# Allegro board P2597_B04_Allegro_layout.brd (continued)
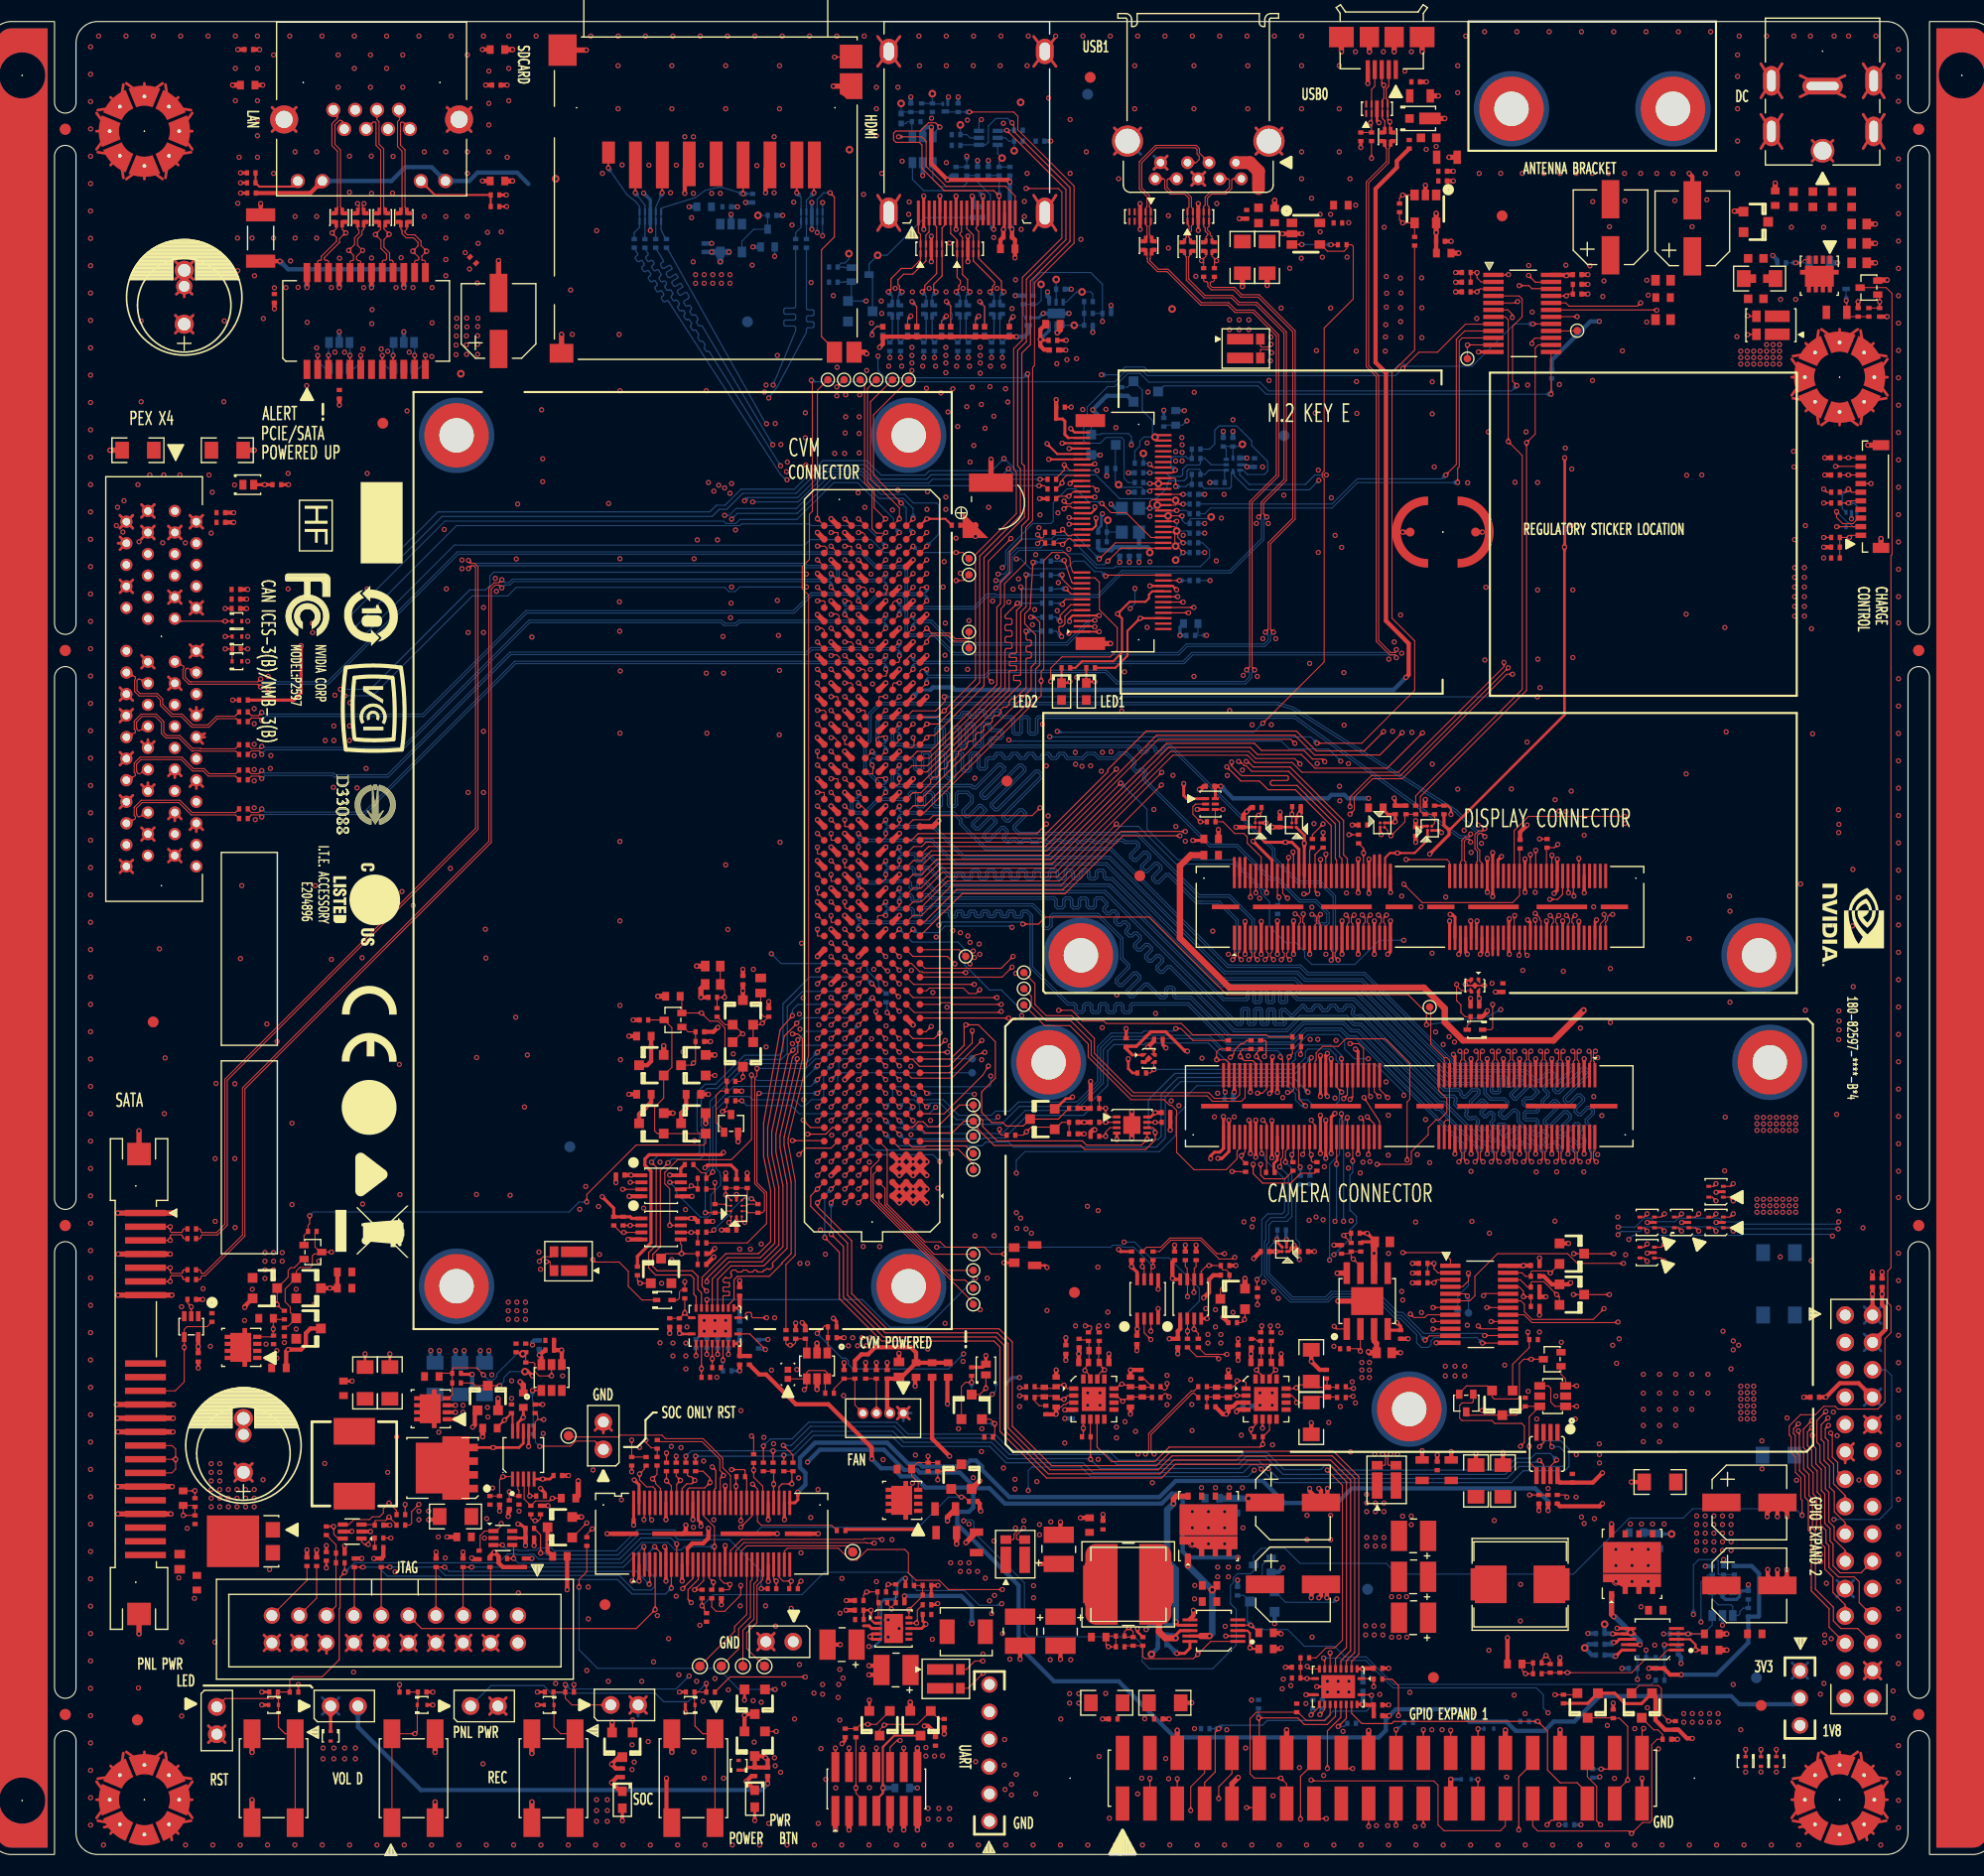
[diagram p0: board, top side]
## Routing (per net, layer and track width the routed paths; a pad name or vN(x,y) marks a point on that pad's centre or on a via; arc(x,y) is an arc through that point) (continued)
  BOTTOM w0.111: v1(85.76,124.01) 85.76,124.97 84.83,125.9 82.61,125.9 80.76,127.75 78.23,127.75 75,124.52 69.44,124.52 v1(68.9,123.98)
POWER_BTN_R: length 58
  TOP w0.111: S4.4 S4.1 66.22,11.21 65.5,11.93 D6.1 65.45,13.93 C50.1 R86.1 v1(66.55,15.88) ; J10.46 70.8,31.43 v1(69.75,30.38)
  L3 w0.12: v1(66.55,15.88) 66.55,16.13 67.08,16.66 67.08,24.02 69.75,26.69 v1(69.75,30.38)
  BOTTOM w0.111: v1(66.55,15.88) 64.85,14.18 62.6,14.18 61.8,14.98 52.15,14.98 51.44,15.68 46.55,15.68 J6.1
PS_VDD_FAN_DISABLE: length 155.6
  TOP w0.1: v1(131.25,137.98) 132.75,139.48 134.47,139.48 137.07,142.08 139.65,142.08 U29.8 ; R109.1 73.95,54.78 74.81,55.64 74.81,62.56 74.15,66.03 74.15,66.48 76.05,74.18 76.05,116.94 75.46,117.53 75.46,119.56 76.12,120.23 76.12,124.43 76.4,124.7 76.4,136.78 v1(76.3,136.88)
  BOTTOM w0.1: v1(76.3,136.88) 76.45,136.73 104.5,136.73 105.57,137.81 107.02,137.81 107.52,137.31 130.58,137.31 v1(131.25,137.98)
PS_VDD_FAN_DISABLE_R: length 4.2
  TOP w0.1: Q17.3 75.88,47.75 R113.1 R112.2 74.85,47.51 74.62,47.28 v1(74.35,47.28) 74.08,47.28 73.95,47.41 R109.2
PWR_I2C_SCL_D: length 214.7
  TOP w0.111: v1(65.15,23.38) 64.85,23.68 64.85,24.58 65.8,25.53 J10.25 ; R269.2 v1(170.35,125.48)
  L3 w0.12: v1(170.35,125.48) 169.9,125.03 169.9,121.09 170.14,120.86 170.6,120.86 170.96,120.5 170.96,99.57 169.9,98.52 169.9,54.88 169.1,54.08 169.1,41.54 168.72,41.17 168.72,38.79 169.49,38.02 169.49,35.28 170.05,34.72 v1(170.05,27.86)
  L4 w0.12: v1(170.05,27.86) 166.34,24.14 132.49,24.14 131.95,24.68 114.27,24.68 112.58,26.36 112.33,26.36 112.33,26.36 93.34,26.36 93.2,26.22 91.58,27.84 78.82,27.84 76.96,25.98 72.31,25.98 70.51,24.18 65.85,24.18 65.15,23.48 v1(65.15,23.38)
PWR_I2C_SDA_D: length 224.5
  TOP w0.111: R268.2 170.65,126.48 v1(170.35,126.78) ; v1(64.35,24.68) 65.3,25.63 65.3,25.64 J10.23
  L3 w0.12: v1(170.45,20.38) 170.27,20.56 170.27,23.99 171.01,24.73 171.01,28.3 170.78,28.54 170.78,34.88 170.12,35.53 170.12,41.46 169.95,41.63 169.95,53.66 170.57,54.28 170.57,98 171.82,99.25 171.82,120.84 171.15,121.51 171.15,122.58 170.75,122.98 170.75,126.38 v1(170.35,126.78)
  L4 w0.12: v1(170.45,20.38) 170.06,19.99 159.78,19.99 158.38,21.39 153.61,21.39 151.79,23.22 122.51,23.22 121.78,23.94 114.13,23.94 112.33,25.74 93.6,25.74 93.12,25.26 89,25.26 87.43,26.83 79.33,26.83 76.68,24.18 71.03,24.18 70.72,23.86 66.23,23.86 65.35,22.98 64.95,22.98 64.35,23.58 v1(64.35,24.68)
Q34_GATE: length 3.5
  TOP w0.1: v1(167.75,147.78) 168.25,147.78 168.54,148.07 Q30.4
  BOTTOM w0.1: R501.2 v1(167.75,147.78) C501.2
RESET_IN_L: length 160.6
  TOP w0.111: J13.A47 v1(87.03,120.2) ; R14.2 v1(28.65,15.78)
  L3 w0.12: v1(75.85,118.88) 76.35,118.38 81.35,118.38 v1(81.85,118.88) ; v1(28.65,15.78) 29.85,16.98 29.85,20.6 30.32,21.07 31.91,21.07 32.35,21.51 32.35,24.78 34.07,26.49 34.07,32.59 32.5,34.16 32.5,50.35 32.77,50.63 32.77,102.38 32.5,102.66 32.5,108.13 v1(32.55,108.18)
  L4 w0.12: v1(87.03,120.2) 86.52,119.69 84.27,119.69 84,119.96 84,120.55 83.65,120.9 82.77,120.9 82.04,120.17 82.04,119.07 v1(81.85,118.88)
  BOTTOM w0.111: v1(75.85,118.88) 75.67,119.05 46.79,119.05 46.45,118.71 46.45,117.82 46.04,117.41 44.57,117.41 35.34,108.18 v1(32.55,108.18)
RESET_IN_R_L: length 87.2
  TOP w0.111: S1.4 S1.1 27.42,11.21 26.8,11.83 D2.1 26.8,15.03 C29.1 ; C29.1 26.61,14.94 26.61,14.76 26.33,14.48 21.85,14.48 J3.1 ; C29.1 R14.1 27.85,16.18 28.16,16.49 30.87,16.49 32.45,18.08 32.45,22.83 32.53,22.9 32.53,25.76 v1(32.95,26.18) R20.1 ; J10.17 63.8,28.83 v1(63.8,28.83) ; v1(68.9,35.73) 70.08,35.73 70.15,35.66 R97.2 70.3,34.93 J10.44
  L3 w0.12: v1(68.9,35.73) 68.9,35.21 69.77,34.33 69.77,31.63 66.97,28.83 v1(63.8,28.83)
  BOTTOM w0.111: v1(63.8,28.83) 63.26,29.38 60.45,29.38 58.5,27.43 50.96,27.43 50.51,27.88 50.19,27.88 50.14,27.83 48.95,27.83 48.88,27.9 48.07,27.9 47.25,27.08 33.85,27.08 v1(32.95,26.18)
RESET_OUT_ARM_R_L: length 2.9
  TOP w0.1: R26.1 35.75,28.5 R28.2 35.7,29.33 35.45,29.33 35.15,29.03 v1(35.15,28.78) 34.79,28.78 34.52,29.05 U2.1
RESET_OUT_L: length 208.3
  TOP w0.1: R322.1 55.45,29.73 v1(55.95,30.23) ; R28.1 v1(37.25,29.38) ; J13.A46 v1(87.03,118.93) ; J8.1 56.21,38.38 54.4,38.38 53.93,37.91 51.1,37.91 v1(51.08,37.88) ; v1(56,55.23) 56.23,55 58.45,55 59.3,54.16 59.3,52.75 60.58,51.48 D16.1
  L3 w0.1: v1(37.25,29.38) 34.93,29.38 34.42,29.89 34.42,32.76 32.86,34.32 32.86,50.14 33.23,50.5 33.23,102.66 32.86,103.02 32.86,107.49 v1(32.95,107.58) ; v1(81.95,117.38) 81.67,117.1 76.44,117.1 v1(75.86,117.68) ; v1(56,55.23) 55.77,55 55.77,38.82 J8.1 56.98,35.81 55.7,34.53 55.7,31.28 55.95,31.03 v1(55.95,30.23)
  L4 w0.1: v1(55.95,30.23) 38.1,30.23 v1(37.25,29.38) ; v1(81.95,117.38) 82.25,117.68 82.25,118.84 82.35,118.94 82.35,120.04 82.9,120.59 83.38,120.59 83.61,120.36 83.61,119.78 84.01,119.38 86.58,119.38 v1(87.03,118.93)
  BOTTOM w0.1: R304.2 50.67,38.83 50.67,38.28 v1(51.08,37.88) ; v1(75.86,117.68) 69.65,117.68 69.22,117.25 68.67,117.25 68.28,117.64 48.88,117.64 48.1,116.86 44.83,116.86 35.55,107.58 v1(32.95,107.58)
RESET_OUT_R_L: length 2.4
  TOP w0.1: R17.2 v1(31.92,30.45) 31.95,30.43 31.95,29.73 32.35,29.33 U2.6
RJ45_RDN: length 5.4
  TOP w0.102: 34.62,148.93 34.05,148.36 34.05,148.12 34.19,147.98 34.35,147.98 34.45,147.88 T1.19 ; 34.62,148.93 v1(34.62,148.93) ; 34.62,148.93 34.15,149.4 34.15,149.99 34.56,150.4 34.56,150.74 34.73,150.9 L3.2
RJ45_RDN1: length 6.3
  TOP w0.102: L5.2 38.73,150.9 38.56,150.74 38.56,150.6 38.78,150.38 39.46,150.38 40.05,149.8 40.05,149.38 v1(40.58,148.86) 40.12,148.4 40.13,148.4 40.13,148.05 40.16,148.01 40.35,148.01 40.45,147.91 T1.13
RJ45_RDN1_F: length 9.6
  TOP w0.102: J5.8 39.01,160.22 38.4,160.83 38.19,160.83 38.14,160.78 38.14,158.69 38.56,158.27 38.56,152.97 38.6,152.93 38.6,152.69 L5.3
RJ45_RDN_F: length 11.9
  TOP w0.102: v1(34.75,153.28) 34.6,153.13 34.6,152.69 L3.3
  L3 w0.102: J5.6 36.1,161.08 34.62,161.08 34.4,160.86 34.38,160.86 34.05,160.53 34.05,158.76 34.56,158.25 34.56,153.47 v1(34.75,153.28)
RJ45_RDP: length 5.4
  TOP w0.102: T1.20 33.45,147.88 33.55,147.98 33.71,147.98 33.77,148.05 33.77,148.48 v1(33.33,148.93) 33.87,149.48 33.87,150.11 34.28,150.52 34.28,150.8 34.17,150.91 34.17,151.39
RJ45_RDP1: length 6.3
  TOP w0.102: 38.17,151.39 38.17,150.91 38.28,150.8 38.28,150.71 38.28,150.48 38.66,150.1 39.35,150.1 39.77,149.68 39.77,149.35 v1(39.27,148.86) 39.85,148.28 39.85,148.12 39.74,148.01 39.55,148.01 39.45,147.91 T1.14
RJ45_RDP1_F: length 9.7
  TOP w0.102: J5.7 38.05,161.89 38.05,161.08 37.86,160.89 37.86,158.57 38.28,158.15 38.28,152.68 38.17,152.57
RJ45_RDP_F: length 12
  TOP w0.102: 34.17,152.57 34.3,152.69 34.3,153.13 v1(34.15,153.28)
  L3 w0.102: J5.3 34.13,162.18 34.94,162.18 35.13,161.99 35.13,161.52 35,161.39 34.49,161.39 34.27,161.17 34.24,161.17 33.74,160.66 33.74,158.63 34.25,158.12 34.25,153.38 v1(34.15,153.28)
RJ45_TDN: length 5.8
  TOP w0.102: T1.22 31.45,147.91 31.35,148.01 31.16,148.01 31.06,148.11 31.06,148.26 32.48,149.67 32.48,150.02 33.02,150.56 v1(33.08,150.56) 32.73,150.91 L1.2
RJ45_TDN1: length 5.4
  TOP w0.102: T1.16 37.45,147.91 37.35,148.01 37.16,148.01 37.13,148.05 37.13,148.7 36.6,149.22 36.6,149.93 v1(37.1,150.43) 36.6,150.93 36.6,151.27 L4.2
RJ45_TDN1_F: length 9.7
  TOP w0.102: J5.5 35.95,161.96 35.95,161.08 36.14,160.89 36.14,158.8 36.58,158.37 36.58,153 36.6,152.98 36.6,152.69 L4.3
RJ45_TDN_F: length 9.9
  TOP w0.102: L1.3 32.6,152.69 32.6,152.98 32.56,153.02 32.56,158.26 32.05,158.77 32.05,160.59 32.43,160.97 32.52,161.02 32.7,160.97 32.92,160.59 J5.2
RJ45_TDP: length 5.7
  TOP w0.102: T1.23 30.45,147.91 30.55,148.01 30.74,148.01 30.78,148.06 30.78,148.37 32.2,149.79 32.2,150.13 v1(31.77,150.56) 32.17,150.96 32.17,151.39
RJ45_TDP1: length 5.5
  TOP w0.102: T1.17 36.45,147.91 36.55,148.01 36.74,148.01 36.85,148.12 36.85,148.58 36.33,149.11 36.33,149.88 v1(35.8,150.41) 36.3,150.91 36.3,151.27 36.17,151.39
RJ45_TDP1_F: length 9.7
  TOP w0.102: 36.17,152.57 36.3,152.69 36.3,158.25 35.87,158.68 35.87,160.76 35.77,160.86 35.6,160.86 J5.4
RJ45_TDP_F: length 10
  TOP w0.102: J5.1 32.29,161.3 32.26,161.19 31.77,160.71 31.77,158.66 32.28,158.15 32.28,152.93 32.3,152.91 32.3,152.69 32.17,152.57
RJ_CAP: length 13.6
  TOP w0.4: v1(26.95,147.93) C27.1
  BOTTOM w0.4: R597.2 R598.2 R599.2 R600.2 27.7,147.18 v1(26.95,147.93)
RJ_LED1: length 5.2
  TOP w0.2: J5.9 28.08,154.86 25.02,154.86 24.67,155.21 24.67,156.13
RJ_LED2: length 8.1
  TOP w0.2: 46.52,153.01 46.52,154.08 41.32,154.08 J5.11
RSVD1: length 5.1
  TOP w0.1: J13.A5 90.89,66.22 TP21.1
RSVD2: length 6.8
  TOP w0.1: TP22.1 90.65,65.78 86.95,65.78 86.85,65.68 85.67,65.68 85.12,66.22
RSVD3: length 6.6
  TOP w0.1: v1(89.75,120.88) 90.38,120.88 TP15.1 ; 85.12,120.83 v1(85.76,121.47)
  BOTTOM w0.1: v1(85.76,121.47) 86.35,120.88 v1(89.75,120.88)
RSVD4: length 18
  TOP w0.1: v1(84.65,125.48) 82.07,128.06 82.07,133.65 TP13.1 ; 85.12,122.1 v1(85.76,122.74)
  BOTTOM w0.1: v1(85.76,122.74) 85.12,123.38 85.12,125.01 v1(84.65,125.48)
RSVD5: length 8.9
  TOP w0.1: TP23.1 91.35,64.08 89.95,65.48 84.6,65.48 J13.C5
RSVD7: length 15.8
  TOP w0.1: TP12.1 81.8,134.88 81.8,127.73 84.49,125.04 v1(84.49,124.01) J13.C50
RSVD8: length 12
  TOP w0.1: TP25.1 88.93,54.23 82.58,60.57 J13.D1
RSVD9: length 12.4
  TOP w0.1: TP24.1 87.71,55.73 83.15,60.29 83.15,61.85 J13.D2
RSVD10: length 15.8
  TOP w0.1: TP26.1 90.6,53.33 89.55,53.33 82.05,60.83 82.05,63.15 J13.D3
RSVD11: length 18.1
  TOP w0.1: TP27.1 91.35,51.24 81.85,60.74 81.85,63.73 82.58,64.47 J13.D4
RSVD14: length 14.9
  TOP w0.1: TP11.1 81.52,136.1 81.52,127.36 82.15,126.74 82.15,125.03 83.17,124.01 v1(83.22,124.01) J13.D50
RSVD_DVDD_CAM_LV: length 16.6
  TOP w0.1: J22.58 135.1,68.01 135.27,68.18 135.59,68.18 ; 135.09,73.98 135.35,73.98 135.6,73.73 J22.55 135.59,72.34 135.59,68.18 ; 135.09,73.98 133.85,75.22 133.85,78.58 TP31.1 ; 135.09,73.98 135.1,73.97 J22.57 ; 135.59,68.18 135.59,66.62 J22.56
RXD_HDR_1V8: length 2.6
  TOP w0.1: U6.6 v1(65.15,57.75) 65.72,57.75 R81.1 R82.1
SAR_CTRL: length 85.8
  TOP w0.1: v1(97.55,127.68) R142.2
  L3 w0.1: v1(70.1,125.68) 70.1,125.23 71.35,123.98 71.35,92.63 72.59,91.39 v1(72.59,83.63)
  BOTTOM w0.1: v1(97.55,127.68) 87.55,127.68 87.19,127.32 82.48,127.32 81.14,128.65 77.7,128.65 75.03,125.98 70.4,125.98 v1(70.1,125.68) ; R585.1 82.55,80.63 82.55,81.03 81.49,82.09 81.49,82.41 81.17,82.72 73.5,82.72 v1(72.59,83.63)
SAR_TOUT: length 240.5
  TOP w0.1: Q27.2 147.33,14.83 R257.2 v1(145.38,14.83) ; 77.5,76.38 v1(76.87,75.75) ; R143.2 97.95,127.08 v1(97.45,127.08)
  L3 w0.1: v1(124.62,125.97) 124.46,125.81 124.46,97.83 125.53,96.76 125.53,96.04 130.25,91.31 130.48,91.31 130.49,91.31 132.19,91.31 133.45,90.05 133.45,87.36 132.75,86.66 132.75,70.48 134.98,68.25 134.98,63.97 138.89,60.06 145.96,60.06 148.07,57.95 148.07,36.85 147.75,36.53 147.75,32.21 146.81,31.27 146.81,17.94 145.38,16.51 v1(145.38,14.83) ; v1(76.87,75.75) 76.05,76.57 76.05,79.68 75.75,79.98 75.75,81.11 73.07,83.78 73.07,91.25 71.72,92.6 71.72,123.89 70.85,124.77 v1(70.85,125.58)
  L4 w0.1: v1(97.45,127.08) 97.65,126.88 102.25,126.88 102.44,127.07 105.85,127.07 107.14,125.78 124.43,125.78 v1(124.62,125.97)
  BOTTOM w0.1: v1(70.85,125.58) 75.06,125.58 77.89,128.41 80.98,128.41 82.31,127.08 v1(97.45,127.08)
SAR_TOUT_LVL: length 11.7
  TOP w0.1: J21.37 150.94,5.69 v1(152.15,6.9) 152.15,11.88 151.38,12.66 150.8,12.66 150.77,12.69 Q27.3
SATA_DEV_SLP: length 130.3
  TOP w0.1: 18.7,49.98 v1(18.7,50.85) 18.35,51.2 R314.2 ; J13.D47 v1(83.22,120.2)
  L3 w0.1: v1(18.7,50.85) 19.25,50.3 31.77,50.3 32.33,50.85 32.33,102.25 v1(31.15,103.43)
  L4 w0.1: v1(83.22,120.2) 82.75,119.73 82.75,117.08 81.35,115.68 48.75,115.68 37.05,103.98 31.7,103.98 v1(31.15,103.43)
SATA_DEV_SLP_3V3: length 11.7
  TOP w0.1: R315.2 20.18,49 18.3,49 18.05,48.75 U1.4 v1(18.05,47.08) 18.05,43.88 17.21,43.05 J1.10
SATA_RX_C_N: length 4.6
  TOP w0.101: J1.5 v1(16.75,54.48) 16.75,54.05 16.85,53.95 17.81,53.95 17.9,54.04 17.9,54.18 18,54.28 C7.2
SATA_RX_C_P: length 4.6
  TOP w0.101: J1.6 v1(16.75,53.2) 16.75,53.63 16.85,53.73 17.79,53.73 17.9,53.62 17.9,53.48 18,53.38 C8.2
SATA_RX_N: length 109.3
  TOP w0.101: v1(47.55,118.35) 47.28,118.08 46.85,118.08 46.35,117.58 46.35,94.06 23.46,71.17 23.46,57.51 19.89,53.94 19.7,53.94 19.6,54.04 19.6,54.18 19.5,54.28 C7.1 ; J13.G46 v1(78.14,118.93)
  BOTTOM w0.101: v1(47.55,118.35) 47.82,118.08 48.21,118.08 48.54,118.41 78.05,118.41 78.14,118.5 v1(78.14,118.93)
SATA_RX_P: length 109.3
  TOP w0.101: J13.G45 v1(78.14,117.66) ; v1(47.55,117.59) 47.28,117.86 46.94,117.86 46.57,117.49 46.57,93.96 23.68,71.08 23.68,57.42 19.99,53.72 19.7,53.72 19.6,53.62 19.6,53.48 19.5,53.38 C8.1
  BOTTOM w0.101: v1(78.14,117.66) 78.14,118.08 78.04,118.18 75.95,118.18 75.94,118.19 48.63,118.19 48.3,117.86 47.82,117.86 v1(47.55,117.59)
SATA_TX_C_N: length 4.6
  TOP w0.101: J1.3 v1(16.75,57.02) 16.75,57.44 16.85,57.54 17.78,57.54 17.9,57.42 17.9,57.28 18,57.18 C6.2
SATA_TX_C_P: length 4.6
  TOP w0.101: J1.2 v1(16.75,58.28) 16.75,57.86 16.85,57.76 17.82,57.76 17.9,57.84 17.9,57.98 18,58.08 C5.2
SATA_TX_N: length 116.7
  TOP w0.101: C6.1 19.5,57.18 19.6,57.28 19.6,57.42 19.7,57.52 21.15,57.52 22.05,58.42 22.05,71.89 45.33,95.17 45.33,119.56 45.02,119.88 44.72,119.88 v1(44.45,120.15) ; J13.D46 v1(83.22,118.93)
  BOTTOM w0.101: v1(44.45,120.15) 44.72,119.88 75.74,119.88 75.94,119.68 78.47,119.68 78.89,119.26 78.89,118.59 79.07,118.4 83.12,118.4 83.22,118.5 v1(83.22,118.93)
SATA_TX_P: length 116.5
  TOP w0.101: J13.D45 82.65,116.96 83.2,116.96 83.26,117.02 83.26,117.24 83.35,117.33 83.35,117.53 v1(83.22,117.66) ; v1(44.45,119.39) 44.72,119.66 44.93,119.66 45.11,119.47 45.11,95.27 21.82,71.98 21.82,58.51 21.05,57.74 19.7,57.74 19.6,57.84 19.6,57.98 19.5,58.08 C5.1
  BOTTOM w0.101: v1(44.45,119.39) 44.72,119.66 75.65,119.66 75.85,119.46 78.38,119.46 78.67,119.17 78.67,118.5 78.98,118.18 83.12,118.18 83.25,118.05 83.25,117.69 v1(83.22,117.66)
SD_CARD_SW_PWR:
  vias: v1(67.05,154.23) v1(67.85,154.23)
SDCARD_CD_L: length 92.8
  TOP w0.111: v1(78.05,154.28) 78.45,153.88 78.45,150.18 77.25,148.98 77.25,140.93 78.45,139.73 J12.10 ; v1(79.41,82.1) 79.41,82.1 J13.F17
  L3 w0.12: v1(76.85,150.58) 76.85,133.78 74.2,131.13 73.05,129.24 73.05,128.66 73.05,128.59 73.17,127.04 73.56,124.22 74.34,117.38 74.35,117.33 74.35,117.31 74.35,117.29 74.35,117.28 74.36,116.8 74.36,116.76 74.37,116.73 74.37,116.56 74.38,116.41 74.38,116.4 74.41,115.84 74.41,115.83 74.41,115.59 74.42,115.58 74.47,114.5 74.47,114.5 74.93,104.3 74.93,104.18 75.05,101.68 75.53,90.93 76.54,88.14 77.38,87.3 77.38,86.69 77.7,86.37 77.7,85.73 78.65,84.78 78.65,82.86 79.41,82.1 v1(79.41,82.1)
  BOTTOM w0.111: v1(78.05,154.28) 77.45,154.28 76.85,153.68 D504.4 D504.7 v1(76.85,150.58)
SDCARD_CLK_POL: length 70.1
  TOP w0.111: v1(78.14,83.37) 78.14,83.37 J13.G18
  L3 w0.12: v1(72.15,132.83) 72.25,130.85 72.41,128.6 72.41,128.55 72.49,127.47 72.5,127.29 72.53,126.98 72.53,126.98 72.92,124.14 73.7,117.33 73.7,117.3 73.7,117.25 73.71,117.24 73.71,117.22 73.71,117.14 73.73,116.62 73.73,116.52 73.74,116.26 73.75,116.11 73.75,116.1 73.77,115.76 73.77,115.35 73.78,115.33 73.81,114.78 73.83,114.22 73.84,114.22 74.01,110.26 74.3,104.01 74.3,104.01 74.41,101.52 74.41,101.52 74.89,90.8 75.95,87.42 76.55,85.5 78.14,83.37 v1(78.14,83.37)
  BOTTOM w0.111: R593.1 62.85,149.12 63.15,148.73 71.98,133 v1(72.15,132.83)
SDCARD_CLK_R: length 14.7
  TOP w0.111: v1(69.97,154.18) J12.5
  BOTTOM w0.111: C532.1 v1(69.97,154.18) 68.07,154.77 67.63,154.77 67.22,154.69 66.47,154.51 65.51,153.83 62.45,152.88 62.35,152.78 D505.5 D505.6 62.35,150.85 62.63,150.26 62.85,150.04 R593.2
SDCARD_CMD_POL: length 75.8
  TOP w0.111: v1(78.14,84.64) J13.G19
  L3 w0.12: v1(78.14,84.64) 77.89,84.64 77.38,85.15 77.38,85.6 77.38,85.6 77.38,86.08 76.42,87.04 75.95,88.53 75.27,90.72 75.21,90.87 74.72,101.66 74.61,104.15 74.61,104.15 74.15,114.36 74.15,114.36 74.1,115.45 74.09,115.47 74.09,115.8 74.09,115.82 74.07,116.26 74.06,116.27 74.05,116.43 74.05,116.57 74.05,116.69 74.05,116.72 74.04,116.75 74.04,116.8 74.03,117.26 74.03,117.27 74.02,117.31 74.02,117.32 74.02,117.36 73.24,124.18 72.85,127.01 72.81,127.49 72.73,128.57 72.73,128.64 72.73,130.16 72.72,130.19 v1(72.72,130.88)
  BOTTOM w0.111: R594.1 61.85,149.12 62.3,148.43 62.56,148 62.52,147.85 62.33,147.74 62.29,147.58 62.46,147.3 62.61,147.26 63.09,147.55 63.23,147.51 63.37,147.27 63.35,147.2 62.87,146.92 62.82,146.73 62.99,146.44 63.14,146.4 63.69,146.73 63.76,146.71 63.91,146.46 63.89,146.38 63.38,146.07 63.34,145.92 63.52,145.63 63.67,145.59 64.11,145.86 64.21,145.84 64.36,145.58 64.34,145.51 63.9,145.24 63.86,145.09 64.03,144.81 64.16,144.77 64.6,145.04 64.75,145 64.95,144.67 64.91,144.49 64.49,144.24 64.45,144.09 64.62,143.8 64.77,143.76 64.9,143.84 65.05,143.8 65.18,143.58 65.14,143.43 65.06,143.39 65.02,143.23 65.19,142.95 65.34,142.91 65.42,142.95 65.57,142.92 65.78,142.57 65.74,142.42 65.69,142.39 65.65,142.24 65.82,141.95 65.97,141.91 66.02,141.94 66.17,141.9 v1(72.72,130.88)
SDCARD_CMD_R: length 7
  TOP w0.111: J12.2 62.45,156.85 v1(62.45,154.28)
  BOTTOM w0.111: R594.2 D505.7 D505.4 61.85,152.93 v1(62.45,154.28)
SDCARD_DAT0_POL: length 74.5
  TOP w0.111: 77.5,82.73 v1(76.87,82.1)
  L3 w0.12: v1(76.87,82.1) 74.23,84.74 74.23,91.47 72.6,93.1 72.6,124.1 72.22,126.83 72.22,126.83 72.18,127.31 72.09,128.53 72.09,128.62 72.01,129.65 72.01,129.68 71.84,130.94 71.74,132.65 71.73,132.73 71.73,134.05 72.75,135.06 v1(72.75,136.43)
  BOTTOM w0.111: R590.1 74.85,143.69 74.74,143.58 73.86,143.58 73.75,143.46 73.75,143.13 73.86,143.02 74.74,143.02 74.85,142.91 74.85,142.58 74.74,142.47 73.86,142.47 73.75,142.35 73.75,142.02 73.86,141.91 74.74,141.91 74.85,141.8 74.85,141.48 v1(72.75,136.43)
SDCARD_DAT0_R: length 7.3
  TOP w0.111: v1(74.95,154.28) 74.95,156.85 J12.7
  BOTTOM w0.111: R590.2 74.85,150.58 75.35,151.08 D504.10 D504.1 75.35,153.88 v1(74.95,154.28)
SDCARD_DAT1_POL: length 74.8
  TOP w0.111: 77.5,81.46 v1(76.87,80.83)
  L3 w0.12: v1(72.35,135.23) 71.41,134.29 71.41,132.72 71.42,132.62 71.7,127.64 71.7,127.62 72.28,123.98 72.28,92.97 73.85,91.4 73.85,84.3 76.87,81.28 v1(76.87,80.83)
  BOTTOM w0.111: v1(72.35,135.23) 73.02,136.14 73.15,136.27 75.85,141.33 75.85,141.64 75.96,141.75 76.44,141.75 76.55,141.86 76.55,142.2 76.44,142.31 75.96,142.31 75.85,142.42 75.85,142.75 75.96,142.86 76.44,142.86 76.55,142.97 76.55,143.31 76.44,143.42 75.96,143.42 75.85,143.53 R589.1
SDCARD_DAT1_R: length 7.2
  TOP w0.111: J12.8 76.55,156.83 v1(76.55,154.28)
  BOTTOM w0.111: R589.2 D504.9 D504.2 75.85,153.58 v1(76.55,154.28)
SDCARD_DAT2_POL: length 74.1
  TOP w0.111: v1(79.41,84.64) J13.F19
  L3 w0.12: v1(74.05,127.63) 74.05,127.62 74.05,125.52 74.99,117.39 74.99,117.35 74.99,117.29 75,117.1 75,116.95 75.01,116.82 75.01,116.82 75.01,116.76 75.01,116.72 75.05,115.86 75.05,115.86 75.1,114.79 75.1,114.79 75.47,106.56 75.56,104.46 75.59,104.44 75.59,104.36 75.59,104.36 75.59,104.25 75.59,104.23 75.61,103.8 75.64,102.81 75.64,102.81 75.75,100.25 76.17,91.06 78.94,88.29 78.94,85.59 79.41,85.12 v1(79.41,84.64)
  BOTTOM w0.111: R596.1 59.85,149.12 60.18,148.61 60.15,148.46 59.98,148.35 59.95,148.2 60.13,147.92 60.28,147.89 60.45,147.99 60.6,147.96 60.79,147.68 60.75,147.53 60.59,147.42 60.55,147.27 60.74,146.99 60.89,146.95 61.06,147.06 61.21,147.03 61.39,146.75 61.36,146.6 61.19,146.49 61.16,146.34 61.34,146.06 61.5,146.02 61.66,146.13 61.81,146.1 62,145.82 61.96,145.66 61.8,145.56 61.77,145.4 61.95,145.12 62.1,145.09 62.27,145.2 62.42,145.17 62.6,144.88 62.57,144.73 62.41,144.62 62.37,144.47 62.55,144.19 62.71,144.16 62.87,144.27 63.03,144.23 63.1,144.11 63.1,144.11 73.43,128.15 73.95,127.63 v1(74.05,127.63)
SDCARD_DAT2_R: length 9.3
  TOP w0.111: v1(57.45,156.58) 57.45,158 J12.9
  BOTTOM w0.111: R596.2 59.85,150.58 60.35,151.08 D505.10 D505.1 60.35,152.98 60.01,153.45 59.2,154.08 v1(57.45,156.58)
SDCARD_DAT3_POL: length 75.8
  TOP w0.111: v1(79.41,83.37) J13.F18
  L3 w0.12: v1(79.41,83.37) 79.16,83.37 78.97,83.56 78.97,85.06 78.56,85.47 78.56,86.09 77.7,86.95 77.7,88.33 77.05,88.98 76.75,88.98 76.49,89.24 75.97,90.66 75.88,90.92 75.87,90.94 75.85,90.99 75.37,101.69 75.25,104.19 75.25,104.32 75.25,104.32 75.24,104.44 74.78,114.65 74.78,114.65 74.73,115.72 74.73,115.73 74.73,115.86 74.72,116.06 74.7,116.58 74.69,116.58 74.69,116.75 74.69,116.81 74.69,116.82 74.68,116.94 74.68,117.09 74.67,117.28 74.67,117.35 74.67,117.37 73.88,124.26 73.71,125.46 v1(73.45,128.93)
  BOTTOM w0.111: v1(73.45,128.93) 66.84,139.52 66.68,139.55 66.53,139.59 66.36,139.87 66.43,140.18 66.25,140.46 66.1,140.49 65.94,140.53 65.77,140.81 65.84,141.12 65.6,141.51 65.45,141.54 65.41,141.52 65.26,141.55 65.08,141.84 65.11,141.99 65.15,142.01 65.19,142.16 64.98,142.49 64.83,142.52 64.8,142.5 64.64,142.53 64.47,142.82 64.5,142.97 64.54,142.99 64.58,143.15 64.46,143.33 64.3,143.37 64.22,143.31 64.06,143.35 63.89,143.63 63.92,143.78 64.01,143.84 64.05,143.99 63.86,144.29 63.71,144.32 63.61,144.26 63.45,144.3 63.28,144.58 63.31,144.73 63.41,144.8 63.45,144.95 63.27,145.24 63.12,145.28 63.02,145.22 62.87,145.25 62.69,145.53 62.73,145.69 62.82,145.75 62.86,145.9 62.76,146.05 62.61,146.09 62.49,146.01 62.34,146.04 62.16,146.33 62.19,146.48 62.32,146.56 62.35,146.71 62.11,147.1 61.96,147.14 61.8,147.04 61.65,147.08 61.48,147.36 61.51,147.51 61.66,147.61 61.7,147.76 61.57,147.97 61.41,148.01 61.25,147.9 61.1,147.94 60.92,148.22 60.95,148.37 61.12,148.48 61.16,148.63 60.85,149.12 R595.1
SDCARD_DAT3_R: length 7.2
  TOP w0.111: J12.1 59.95,156.85 v1(59.95,154.28)
  BOTTOM w0.111: R595.2 D505.9 D505.2 60.85,153.13 v1(59.95,154.28)
SDCARD_VDD_EN: length 73.4
  TOP w0.1: 77.5,80.19 v1(76.87,79.56)
  L3 w0.1: v1(72.9,148.38) 72.9,139.75 71.1,137.95 71.1,132.59 71.11,132.58 71.23,130.33 71.39,127.59 71.97,123.91 71.97,92.84 73.44,91.37 73.44,83.99 76.22,81.2 76.22,80.2 v1(76.87,79.56)
  BOTTOM w0.1: Q509.1 v1(72.9,148.38)
SDCARD_VDD_EN_L: length 6
  BOTTOM w0.1: v2(71.35,152.18) R591.1 Q509.3 70.97,150.9 69.85,149.78 U503.4
SDCARD_WP: length 86.7
  TOP w0.1: J12.12 79.95,166.88 v1(78.45,166.88) ; J13.F20 v1(79.41,85.91)
  L3 w0.1: v1(79.41,85.91) 79.84,86.34 79.84,88.69 76.44,92.09 76.11,99.3 76.05,100.68 76.05,100.82 75.95,103.21 75.91,104.24 75.9,104.57 75.87,104.6 75.83,105.41 75.78,106.58 75.41,114.92 75.3,117.37 75.3,126.1 77.35,128.15 v1(77.35,150.28) ; v1(78.45,166.88) 76.95,165.38 76.95,155.18 77.35,154.78 v1(77.35,153.38)
  BOTTOM w0.1: v1(77.35,153.38) D504.5 D504.6 v1(77.35,150.28)
SDIO_CLK: length 25.4
  TOP w0.111: v1(96.25,113.58) 96.25,112.86 96.36,112.75 96.64,112.75 96.75,112.64 96.75,112.31 96.64,112.2 96.36,112.2 96.25,112.08 96.25,111.75 96.36,111.64 96.64,111.64 96.75,111.53 96.75,111.2 96.64,111.09 96.36,111.09 96.25,110.97 96.25,108.33 95.23,107.31 94.93,107.31 94.68,107.06 94.68,106.76 94.44,106.52 94.14,106.52 93.9,106.28 93.9,105.98 93.65,105.73 93.35,105.73 93.11,105.49 93.11,105.19 92.87,104.95 92.57,104.95 92.32,104.7 92.32,104.41 92.08,104.16 91.78,104.16 91.54,103.92 91.54,103.62 91.3,103.38 91,103.38 90.75,103.13 90.75,102.83 90.51,102.59 90.21,102.59 89.97,102.35 89.97,102.05 89.51,101.59 89.21,101.59 88.96,101.34 88.96,101.04 88.72,100.8 88.42,100.8 88.18,100.56 88.18,100.26 87.93,100.01 87.63,100.01 87.39,99.77 87.39,99.47 86.5,98.58 85.73,98.58 85.12,97.97
  BOTTOM w0.111: R556.1 v1(96.25,113.58)
SDIO_CLK_R: length 5.4
  TOP w0.111: v1(99.56,113.07) 99.46,113.17 99.46,113.43 99.31,113.58 99.31,113.94 99.4,114.03 99.65,114.03 99.86,114.24 99.86,114.95 100.44,115.53 J18.9
  BOTTOM w0.111: v1(99.56,113.07) 99.05,113.58 R556.2
SDIO_CMD: length 25.6
  TOP w0.111: 85.12,96.7 85.8,97.38 86.9,97.38 97.14,107.62 97.14,110.07 97.52,110.44 97.52,114.41 97.05,114.88 v1(96.68,114.88)
  BOTTOM w0.111: R555.1 v1(96.68,114.88)
SDIO_CMD_R: length 4
  TOP w0.111: J18.11 100.4,116.03 99.42,115.05 v1(99.42,114.49)
  BOTTOM w0.111: v1(99.42,114.49) 99.03,114.88 R555.2
SDIO_D0: length 26.2
  TOP w0.111: v1(95.45,116.18) 94.3,115.03 94.3,114.86 94.41,114.75 94.84,114.75 94.95,114.63 94.95,114.3 94.84,114.19 94.41,114.19 94.3,114.08 94.3,113.75 94.41,113.64 94.84,113.64 94.95,113.52 94.95,113.19 94.84,113.08 94.41,113.08 94.3,112.97 94.3,112.64 94.41,112.52 94.84,112.52 94.95,112.41 94.95,112.08 94.84,111.97 94.41,111.97 94.3,111.86 94.3,108.3 87.07,101.08 85.65,101.08 85.12,100.55 85.12,100.51
  BOTTOM w0.111: R554.1 v1(95.45,116.18)
SDIO_D1: length 26.3
  TOP w0.111: v1(95.75,117.68) 95.85,117.58 95.85,115.98 95.37,115.5 95.37,111.62 95.26,111.51 94.81,111.51 94.7,111.4 94.7,111.18 94.75,111.13 95.32,111.13 95.37,111.08 95.37,110.8 95.32,110.75 94.75,110.75 94.7,110.7 94.7,110.42 94.75,110.37 95.32,110.37 95.37,110.32 95.37,109.95 95.32,109.9 94.73,109.9 94.68,109.85 94.68,108.15 87.05,100.51 J13.A32
  BOTTOM w0.111: R553.1 95.95,117.48 v1(95.75,117.68)
SDIO_D2: length 26.3
  TOP w0.111: J13.A31 86.39,99.32 95.75,108.68 95.75,108.89 95.64,109 95.15,109 95.1,109.05 95.1,109.43 95.15,109.48 95.7,109.48 95.75,109.53 95.75,115.34 96.25,115.84 v1(96.25,118.83)
  BOTTOM w0.111: v1(96.25,118.83) 96.3,118.78 R552.1
